# Altium PCB AMTAUD.PcbDoc (part 1 of 2) (continued)
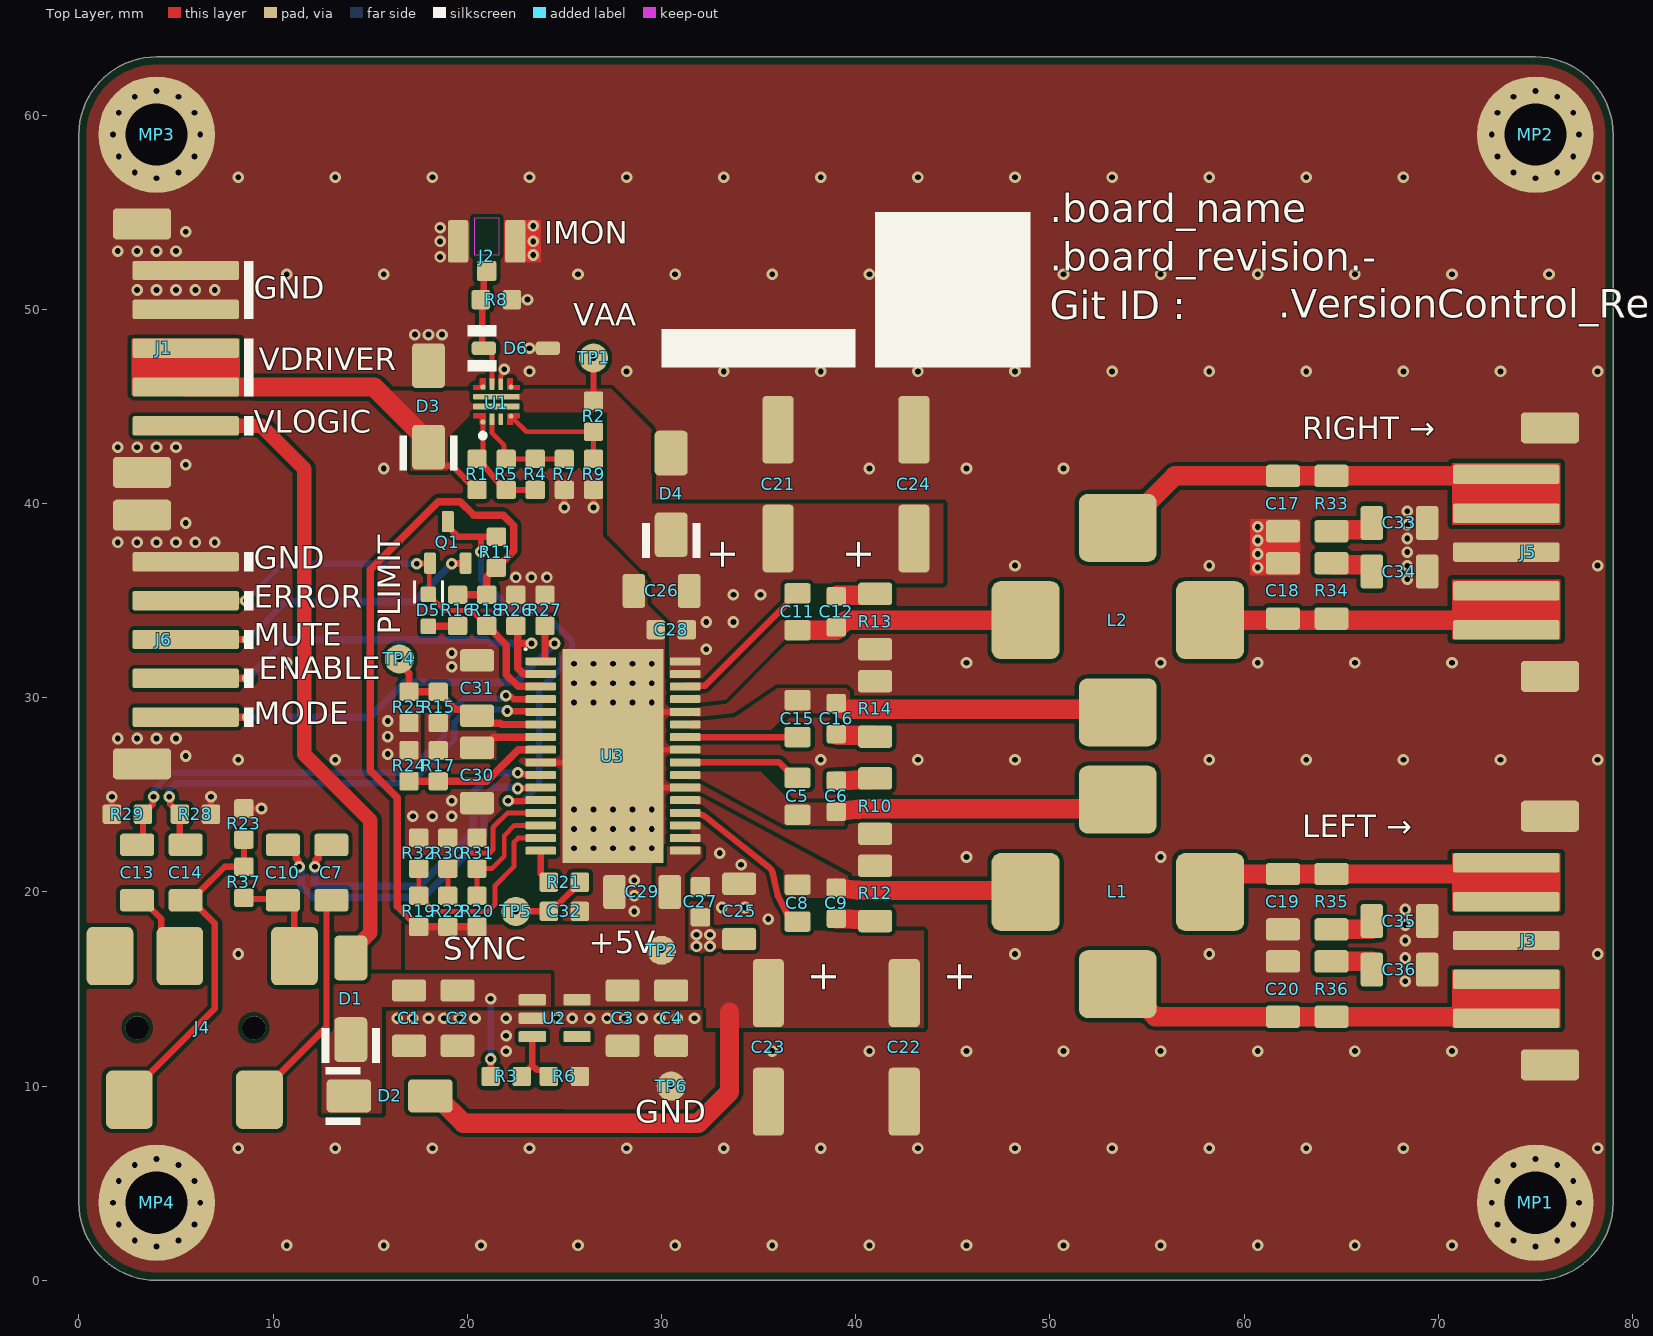
[diagram p0: Top Layer view]
## Components (designator, comment, footprint, x,y, rotation, side; value= is the part's Value field where it differs from the comment)
C1 "Capacitor 1µF +/-10% 50V X7R 1206" 1206-C-N 17,13.5 r90 top value=1µF
C2 "Capacitor 1µF +/-10% 50V X7R 1206" 1206-C-N 19.5,13.5 r90 top value=1µF
C3 "Capacitor 1µF +/-10% 50V X7R 1206" 1206-C-N 28,13.5 r90 top value=1µF
C4 "Capacitor 1µF +/-10% 50V X7R 1206" 1206-C-N 30.5,13.5 r90 top value=1µF
C5 "Capacitor 220nF +/-10% 50V X7R 0805" 0805-C-N 37,24.925 r270 top value=220nF
C6 "Capacitor 330pF +/-5% 50V NP0 0603" 0603-C-N 39,24.925 r270 top value=330pF
C7 "Capacitor 1µF +/-10% 50V X7R 1206" 1206-C-N 13,21 r270 top value=1µF
C8 "Capacitor 220nF +/-10% 50V X7R 0805" 0805-C-N 37,19.425 r90 top value=220nF
C9 "Capacitor 330pF +/-5% 50V NP0 0603" 0603-C-N 39,19.425 r90 top value=330pF
C10 "Capacitor 1µF +/-10% 50V X7R 1206" 1206-C-N 10.5,21 r270 top value=1µF
C11 "Capacitor 220nF +/-10% 50V X7R 0805" 0805-C-N 37,34.425 r270 top value=220nF
C12 "Capacitor 330pF +/-5% 50V NP0 0603" 0603-C-N 39,34.425 r270 top value=330pF
C13 "Capacitor 1µF +/-10% 50V X7R 1206" 1206-C-N 3,21 r270 top value=1µF
C14 "Capacitor 1µF +/-10% 50V X7R 1206" 1206-C-N 5.5,21 r270 top value=1µF
C15 "Capacitor 220nF +/-10% 50V X7R 0805" 0805-C-N 37,28.925 r90 top value=220nF
C16 "Capacitor 330pF +/-5% 50V NP0 0603" 0603-C-N 39,28.925 r90 top value=330pF
C17 "Capacitor 680nF +/-10% 50V X7R 1206" 1206-C-N 62,40 r90 top value=680nF
C18 "Capacitor 680nF +/-10% 50V X7R 1206" 1206-C-N 62,35.5 r270 top value=680nF
C19 "Capacitor 680nF +/-10% 50V X7R 1206" 1206-C-N 62,19.5 r90 top value=680nF
C20 "Capacitor 680nF +/-10% 50V X7R 1206" 1206-C-N 62,15 r270 top value=680nF
C21 "875585545003" WCAP-HSAH_D6.3H7.7 36,41 r90 top
C22 "875585545003" WCAP-HSAH_D6.3H7.7 42.5,12 r270 top
C23 "875585545003" WCAP-HSAH_D6.3H7.7 35.5,12 r270 top
C24 "875585545003" WCAP-HSAH_D6.3H7.7 43,41 r90 top
C25 "Capacitor 1µF +/-10% 50V X7R 1206" 1206-C-N 34,19 r270 top value=1µF
C26 "Capacitor 1µF +/-10% 50V X7R 1206" 1206-C-N 30,35.5 r180 top value=1µF
C27 "Capacitor 1nF +/-5% 100V NP0 0603" 0603-C-N 32,19.5 r90 top value=1nF
C28 "Capacitor 1nF +/-5% 100V NP0 0603" 0603-C-N 30.5,33.5 r0 top value=1nF
C29 "Capacitor 1µF +/-10% 50V X7R 1206" 1206-C-N 29,20 r0 top value=1µF
C30 "Capacitor 1µF +/-10% 50V X7R 1206" 1206-C-N 20.5,26 r90 top value=1µF
C31 "Capacitor 1µF +/-10% 50V X7R 1206" 1206-C-N 20.5,30.5 r270 top value=1µF
C32 "Capacitor 330pF +/-5% 50V NP0 0603" 0603-C-N 25,19 r0 top value=330pF
C33 "Capacitor 100nF +/-10% 50V X7R 1206" 1206-C-N 68,39 r180 top value=100nF
C34 "Capacitor 100nF +/-10% 50V X7R 1206" 1206-C-N 68,36.5 r180 top value=100nF
C35 "Capacitor 100nF +/-10% 50V X7R 1206" 1206-C-N 68,18.5 r180 top value=100nF
C36 "Capacitor 100nF +/-10% 50V X7R 1206" 1206-C-N 68,16 r180 top value=100nF
D1 "B340AF-13" DO-214AC_UNI 14,14.5 r90 top
D2 "B340AF-13" DO-214AC_UNI 16,9.5 r0 top
D3 "SMAJ12A" DO-214AC_UNI 18,45 r90 top value=12V
D4 "SMAJ12A" DO-214AC_UNI 30.5,40.5 r90 top value=12V
D5 "150060RS86000" WL-SMCW_0603_150060xx8x000 18,34.5 r270 top
D6 "DDZ9678-7" SOD-123-N 22.5,48 r0 top
J1 "620305124022" 620305124022 3.25,48 r270 top
J2 "U.FL-R-SMT(10)" HRS-U.FL-R-SMT_V 21,53.5 r0 top value=U.FL
J3 "620305124022" 620305124022 75.75,17.5 r90 top
J4 "SJ2-35863B1-SMT-TR" SJ2-35863B1-SMT-TR-Footprint-1 5,13 r0 top value="3.5mm audio jack"
J5 "620305124022" 620305124022 75.75,37.5 r90 top
J6 "620305124022" 620305124022 3.25,33 r270 top
L1 "74434301008100" WE-LHMD_1008 53.5,20 r180 top
L2 "74434301008100" WE-LHMD_1008 53.5,34 r270 top
MP1 "MountingHole" PTH-M3D6.5_VIA-RING 75,4 r0 top
MP2 "MountingHole" PTH-M3D6.5_VIA-RING 75,59 r0 top
MP3 "MountingHole" PTH-M3D6.5_VIA-RING 4,59 r0 top
MP4 "MountingHole" PTH-M3D6.5_VIA-RING 4,4 r0 top
Q1 "BC846BLT1G" SOT-23-3-N 19,38 r90 top
R1 "ERJ-3EKF5603V" 0603-R-N 20.5,41.5 r270 top value=560k
R2 "Resistor 150k +/-1% 50V 0603" 0603-R-N 26.5,44.5 r270 top value=150k
R3 "Resistor 150k +/-1% 50V 0603" 0603-R-N 22,10.5 r0 top value=150k
R4 "RC0603FR-07270KL" 0603-R-N 23.5,41.5 r270 top value=270k
R5 "Resistor 220k 1% 0603 0.1W" 0603-R-N 22,41.5 r270 top value=220k
R6 "Resistor 47k +/-1% 50V 0603" 0603-R-N 25,10.5 r0 top value=47k
R7 "Resistor 68k +/-1% 50V 0603" 0603-R-N 25,41.5 r90 top value=68k
R8 "Resistor 5.6k +/-1% 0.1W 0603" 0603-R-N 21.5,50.5 r180 top value=5.6k
R9 "Resistor 47k +/-1% 50V 0603" 0603-R-N 26.5,41.5 r90 top value=47k
R10 "Resistor 10E +/-1% 200V 1206" 1206-R-N 41,24.425 r270 top value=10
R11 "Resistor 150k +/-1% 50V 0603" 0603-R-N 21.5,37.5 r90 top value=150k
R12 "Resistor 10E +/-1% 200V 1206" 1206-R-N 41,19.925 r90 top value=10
R13 "Resistor 10E +/-1% 200V 1206" 1206-R-N 41,33.925 r270 top value=10
R14 "Resistor 10E +/-1% 200V 1206" 1206-R-N 41,29.425 r90 top value=10
R15 "Jumper 0R <50 mOhm 1A 0603" 0603-R-N 18.5,29.5 r90 top value=0
R16 "Resistor 10k +/-1% 50V 0603" 0603-R-N 19.5,34.5 r90 top value=10k
R17 "Resistor 75k +/-1% 50V 0603" 0603-R-N 18.5,26.5 r90 top value=75k
R18 "Resistor 10k +/-1% 50V 0603" 0603-R-N 21,34.5 r270 top value=10k
R19 "Resistor 10k +/-1% 50V 0603" 0603-R-N 17.5,19 r90 top value=10k
R20 "Resistor 10k +/-1% 50V 0603" 0603-R-N 20.5,19 r90 top value=10k
R21 "RMCF0603FT680R" 0603-R-N 25,20.5 r180 top value=680
R22 "Resistor 10k +/-1% 50V 0603" 0603-R-N 19,19 r90 top value=10k
R23 "Resistor 10R +/-1% 50V 0603" 0603-R-N 8.5,23.5 r270 top value=10
R24 "Resistor 47k +/-1% 50V 0603" 0603-R-N 17,26.5 r270 top value=47k
R25 "Jumper 0R <50 mOhm 1A 0603" 0603-R-N 17,29.5 r90 top value=0
R26 "Resistor 150k +/-1% 50V 0603" 0603-R-N 22.5,34.5 r270 top value=150k
R27 "Resistor 150k +/-1% 50V 0603" 0603-R-N 24,34.5 r270 top value=150k
R28 "Jumper 0R <50 mOhm 1A 0603" 0603-R-N 6,24 r180 top value=0
R29 "Jumper 0R <50 mOhm 1A 0603" 0603-R-N 2.5,24 r0 top value=0
R30 "Resistor 10k +/-1% 50V 0603" 0603-R-N 19,22 r90 top value=10k
R31 "Resistor 10k +/-1% 50V 0603" 0603-R-N 20.5,22 r90 top value=10k
R32 "Resistor 10k +/-1% 50V 0603" 0603-R-N 17.5,22 r90 top value=10k
R33 "Resistor 10E +/-1% 200V 1206" 1206-R-N 64.5,40 r90 top value=10
R34 "Resistor 10E +/-1% 200V 1206" 1206-R-N 64.5,35.5 r270 top value=10
R35 "Resistor 10E +/-1% 200V 1206" 1206-R-N 64.5,19.5 r90 top value=10
R36 "Resistor 10E +/-1% 200V 1206" 1206-R-N 64.5,15 r270 top value=10
R37 "Jumper 0R <50 mOhm 1A 0603" 0603-R-N 8.5,20.5 r270 top value=0
TP1 "Testpad with multiple sizes" TP_1.5mm_0.3mmHole 26.5,47.5 r0 top
TP2 "Testpad with multiple sizes" TP_1.5mm_0.3mmHole 30,17 r0 top
TP4 "Testpad with multiple sizes" TP_1.5mm_0.3mmHole 16.5,32 r0 top
TP5 "Testpad with multiple sizes" TP_1.5mm_0.3mmHole 22.5,19 r0 top
TP6 "Testpad with multiple sizes" TP_1.5mm_0.3mmHole 30.5,10 r0 top
U1 "LM73100RPWR" VQFN-HR 21.5,45.25 r90 top
U2 "TPS70950DBVR" SOT25-N 24.5,13.5 r0 top
U3 "TPA3128D2DAP" TSSOP28_PPad 27.5,27 r0 top

## Footprints (in the part's own frame and the unit in brackets; to place one, negate y for a bottom-side part, rotate by r counter-clockwise, add the part's x,y. Pads: shape width x height; smd on the part's side, far side on the other; paste and mask are expansions set on the pad)
0603-C-N [mm]
  rrect25% 0.95x1 smd: 1(-0.8,0) 2(0.8,0)
  body extent -0.8,-0.4 0.8,0.4, height 0.81
0603-R-N [mm]
  rrect25% 0.95x1 smd: 1(-0.8,0) 2(0.8,0)
  body extent -0.8,-0.4 0.8,0.4, height 0.47
0805-C-N [mm]
  rrect25% 1.05x1.35 smd: 1(-0.95,0) 2(0.95,0)
  body extent -1,-0.63 1,0.63, height 1.26
1206-C-N [mm] "Chip Capacitor, 2-Leads, 1206, IPC Medium Density"
  rrect25% 1.15x1.75 smd: 1(-1.425,0) 2(1.425,0)
  body extent -1.6,-0.8 1.6,0.8, height 1.16
1206-R-N [mm] "Chip Resistor, 2-Leads, 1206, IPC Medium Density"
  rrect25% 1.15x1.75 smd: 1(-1.425,0) 2(1.425,0)
  body extent -1.6,-0.8 1.6,0.8, height 0.62
620305124022 [mm] "2.00mm SMT Male Vertical Shrouded Header, 5p"
  rrect25% 1x5.5 smd: 1(4,2.25) 2(2,2.25) 3(0,2.25) 4(-2,2.25) 5(-4,2.25)
  rrect25% 1.6x3 smd: MP1(-6.4,0) MP2(6.4,0)
  body extent -7,-2.5 7,4.51, height 6.77
DO-214AC_UNI [mm] "SMA : 2-Leads. body 4.24x2.67mm"
  rrect25% 2.3x1.7 smd: 1(-2.1,0) 2(2.1,0)
  silkscreen extent -3.3,-1.5 -1.5,1.5, body extent -2.56,-1.33 2.56,1.34, height 2.24
HRS-U.FL-R-SMT_V [mm] "SMD, 3-Leads, Body 2.6x2.6mm"
  rrect25% 1.05x2.2 smd: 1(-1.475,0) 2(1.475,0)
  rrect25% 1x1.05 smd: 3(0,-1.525)
  Top Layer keep-out region: -0.65,-0.7 0.65,-0.7 0.65,1.2 -0.65,1.2
  body extent -1.48,-1.55 1.52,1.55, height 1.25
PTH-M3D6.5_VIA-RING [mm]
  round 6 hole 3.2: 1(0,0)
SJ2-35863B1-SMT-TR-Footprint-1 [mm]
  rrect25% 2.4x3 smd: 1(-2.4,-3.7) 2(4.3,-3.7) 3(0.2,3.7) 4(6.1,3.7) 5(-3.4,3.7)
  round 1.2 hole 1.2 unplated: MP1(-2,0) MP2(4,0)
  body extent -7,-4.5 7,4.5, height 5
SOD-123-N [mm] "Small Outline Diode 123 package - IPC Nominal"
  rrect50% 1.257x0.702 smd: 1(-1.65,0) 2(1.65,0)
  silkscreen extent -2.5,-1.2 -1,1.2, body extent -1.87,-0.85 1.88,0.85, height 1.2
SOT25-N [mm] "SOT-23-5 IPC Nominal, EIAJ SC-74A, SOT753, TSOP5"
  rrect25% 1.407x0.576 smd: 1(-1.151,0.95) 2(-1.151,0) 3(-1.151,-0.95) 4(1.151,-0.95) 5(1.151,0.95)
  body extent -1.42,-1.5 1.42,1.5, height 1.2
SOT-23-3-N [mm] "SOT-23, 3-Leads, Body 3x1.4mm, Pitch 0.95mm, IPC Medium Density"
  rrect25% 1.09x0.61 smd: 1(-1.07,0.915) 2(-1.07,-0.915) 3(1.07,0)
  body extent -1.22,-1.5 1.22,1.5, height 1
TP_1.5mm_0.3mmHole [mm] "Centering hole to keep your DMM-probe in place so that it doesn't skid off to other signals."
  round 1.5 / inner round 0.6 / far side round 0.6 hole 0.3 mask+0.102: 1(0,0)
TSSOP28_PPad [mm]
  rrect25% 1.57x0.41 smd: 1(-3.72,4.875) 2(-3.72,4.225) 3(-3.72,3.575) 4(-3.72,2.925) 5(-3.72,2.275) 6(-3.72,1.625) 7(-3.72,0.975) 8(-3.72,0.325) 9(-3.72,-0.325) 10(-3.72,-0.975) 11(-3.72,-1.625) 12(-3.72,-2.275) 13(-3.72,-2.925) 14(-3.72,-3.575) 15(-3.72,-4.225) 16(-3.72,-4.875) 17(3.72,-4.875) 18(3.72,-4.225) 19(3.72,-3.575) 20(3.72,-2.925) 21(3.72,-2.275) 22(3.72,-1.625) 23(3.72,-0.975) 24(3.72,-0.325) 25(3.72,0.325) 26(3.72,0.975) 27(3.72,1.625) 28(3.72,2.275) 29(3.72,2.925) 30(3.72,3.575) 31(3.72,4.225) 32(3.72,4.875)
  rect 5.2x11 smd paste-7 mask+0: 33(0,0)
  silkscreen extent -4.55,5.45 -4.45,5.55, body extent -4.05,-5.5 4.05,5.5, height 1.2
VQFN-HR [mm]
  round 0.27 smd paste-1000 mask+0: 1(-1.05,0.7) 10(0.75,0.7)
  rrect40% 0.6x0.25 smd paste+0 mask+0: 2(-0.9,0.225) 3(-0.9,-0.225) 8(0.9,-0.225) 9(0.9,0.225)
  round 0.255 smd paste-1000 mask+0: 4(-0.75,-0.75) 7(0.75,-0.75)
  rrect33% 0.3x2.4 smd paste-1000 mask+0: 5(-0.25,0) 6(0.25,0)
  Top Layer region: -0.85,0.85 -0.85,1.15 -0.843,1.175 -0.825,1.193 -0.8,1.2 -0.8,1.2 -0.65,1.2 -0.631,1.196 -0.615,1.185 -0.604,1.169 -0.6,1.15 -0.6,1.15 -0.6,0.6 -0.604,0.581 -0.615,0.565 -0.631,0.554 -0.65,0.55 -0.65,0.55 -1.15,0.55 -1.169,0.554 -1.185,0.565 -1.196,0.581 -1.2,0.6 -1.2,0.6 -1.2,0.8 -1.193,0.825 -1.175,0.843 -1.15,0.85 -1.15,0.85
  Top Layer region: -0.85,-0.85 -0.85,-1.15 -0.846,-1.169 -0.835,-1.185 -0.819,-1.196 -0.8,-1.2 -0.8,-1.2 -0.65,-1.2 -0.631,-1.196 -0.615,-1.185 -0.604,-1.169 -0.6,-1.15 -0.6,-1.15 -0.6,-0.6 -0.604,-0.581 -0.615,-0.565 -0.631,-0.554 -0.65,-0.55 -0.65,-0.55 -1.15,-0.55 -1.169,-0.554 -1.185,-0.565 -1.196,-0.581 -1.2,-0.6 -1.2,-0.6 -1.2,-0.8 -1.196,-0.819 -1.185,-0.835 -1.169,-0.846 -1.15,-0.85 -1.15,-0.85
  Top Layer region: 0.85,-0.85 0.85,-1.15 0.846,-1.169 0.835,-1.185 0.819,-1.196 0.8,-1.2 0.8,-1.2 0.65,-1.2 0.631,-1.196 0.615,-1.185 0.604,-1.169 0.6,-1.15 0.6,-1.15 0.6,-0.6 0.604,-0.581 0.615,-0.565 0.631,-0.554 0.65,-0.55 0.65,-0.55 1.15,-0.55 1.169,-0.554 1.185,-0.565 1.196,-0.581 1.2,-0.6 1.2,-0.6 1.2,-0.8 1.196,-0.819 1.185,-0.835 1.169,-0.846 1.15,-0.85 1.15,-0.85
  Top Layer region: 0.85,0.85 0.85,1.15 0.846,1.169 0.835,1.185 0.819,1.196 0.8,1.2 0.8,1.2 0.65,1.2 0.631,1.196 0.615,1.185 0.604,1.169 0.6,1.15 0.6,1.15 0.6,0.6 0.604,0.581 0.615,0.565 0.631,0.554 0.65,0.55 0.65,0.55 1.15,0.55 1.169,0.554 1.185,0.565 1.196,0.581 1.2,0.6 1.2,0.6 1.2,0.8 1.196,0.819 1.185,0.835 1.169,0.846 1.15,0.85 1.15,0.85
  silkscreen extent -1.87,0.58 -1.63,0.82, body extent -1.3,-1.3 1.3,1.3, height 0.25
WCAP-HSAH_D6.3H7.7 [mm] "Aluminum Hybrid Polymer Capacitor, SMT, body diameter 6.3mm"
  rrect25% 3.5x1.6 smd: 1(-2.8,0) 2(2.8,0)
  body extent -3.6,-3.3 3.6,3.3, height 7.75
WE-LHMD_1008 [mm] "SMT High Current Inductor, body 10x10mm"
  rrect25% 3.5x4 smd: 1(4.75,0) 4(-4.75,0)
  rrect25% 4x3.5 smd: 2(0,-4.75) 3(0,4.75)
  body extent -5.6,-5.6 5.6,5.6, height 8
WL-SMCW_0603_150060xx8x000 [mm] "SMD Mono-color Chip LED, body 1.6x0.8mm"
  rrect25% 0.8x0.8 smd: 1(-0.825,0) 2(0.825,0)
  silkscreen extent -1.55,-0.79 -0.35,0.79, body extent -0.8,-0.4 0.8,0.4, height 0.95

## Part data
C1 C2 C3 C4 C7 C10 C13 C14 C25 C26 C29 C30 C31: library part CMP-072-000852-15, "WCAP-CSGP Multilayer Ceramic Chip Capacitor, General Purpose, size 1206, X7R, 1µF, 50VDC", Capacitor Type=MLCC, Case/Package=1206, Dielectric=X7R, Insulation Resistance=0.5GO, JLCPCB Part #=C1848, Max Operating Temperature=125°C, Min Operating Temperature=-55°C, Tolerance=10%, Voltage Rating=50V, ComponentLink1Description="Website Link", ComponentLink1URL=https://www.we-online.com/redexpert/article/885012208093?ad, ComponentLink2Description="Datasheet Link", ComponentLink2URL=https://www.we-online.com/redexpert/spec/885012208093?ad, Design Item ID=885012208093, Dissipation Factor=3%, Height=1.6mm, Length=3.2mm, Match Code=WCAP-CSGP, Mounting Technology=SMT, Packaging="Tape and Reel", Page Part #=CCOK105, Pins=2, Source=WCAP-CSGP.SchLib, Technical Reference=X7R1206105K050DFCT10000, Usage="General Purpose", Width=1.6mm
C5 C8 C11 C15: library part CMP-072-000738-14, "WCAP-CSGP Multilayer Ceramic Chip Capacitor, General Purpose, size 0805, X7R, 220nF, 50VDC", Capacitor Type=MLCC, Case/Package=0805, Dielectric=X7R, Insulation Resistance=2.3GO, JLCPCB Part #=C5378, Max Operating Temperature=125°C, Min Operating Temperature=-55°C, Tolerance=10%, Voltage Rating=50V, ComponentLink1Description="Website Link", ComponentLink1URL=https://www.we-online.com/redexpert/article/885012207100?ad, ComponentLink2Description="Datasheet Link", ComponentLink2URL=https://www.we-online.com/redexpert/spec/885012207100?ad, Design Item ID=885012207100, Dissipation Factor=3%, Height=1.25mm, Length=2mm, Match Code=WCAP-CSGP, Mounting Technology=SMT, Packaging="Tape and Reel", Pins=2, Source=WCAP-CSGP.SchLib, Technical Reference=X7R0805224K050DFCT10000, Usage="General Purpose", Width=1.25mm
C6 C9 C12 C16 C32: library part CMP-072-000131-14, "WCAP-CSGP Multilayer Ceramic Chip Capacitor, General Purpose, size 0603, NP0, 330pF, 50VDC", Capacitor Type=MLCC, Case/Package=0603, Dielectric=NP0, Insulation Resistance=10GO, JLCPCB Part #=C62784, Max Operating Temperature=125°C, Min Operating Temperature=-55°C, Tolerance=5%, Voltage Rating=50V, ComponentLink1Description="Website Link", ComponentLink1URL=https://www.we-online.com/redexpert/article/885012006060?ad, ComponentLink2Description="Datasheet Link", ComponentLink2URL=https://www.we-online.com/redexpert/spec/885012006060?ad, Design Item ID=885012006060, Height=0.8mm, Length=1.6mm, Match Code=WCAP-CSGP, Mounting Technology=SMT, Packaging="Tape and Reel", Pins=2, Q Factor=1000, Source=WCAP-CSGP.SchLib, Technical Reference=NP00603331J050DFCT10000, Usage="General Purpose", Width=0.8mm
C17 C18 C19 C20: library part CMP-072-000851-13, "WCAP-CSGP Multilayer Ceramic Chip Capacitor, General Purpose, size 1206, X7R, 680nF, 50VDC", Capacitor Type=MLCC, Case/Package=1206, Dielectric=X7R, Insulation Resistance=0.7GO, JLCPCB Part #=C282780, Max Operating Temperature=125°C, Min Operating Temperature=-55°C, Tolerance=10%, Voltage Rating=50V, ComponentLink1Description="Website Link", ComponentLink1URL=https://www.we-online.com/redexpert/article/885012208092?ad, ComponentLink2Description="Datasheet Link", ComponentLink2URL=https://www.we-online.com/redexpert/spec/885012208092?ad, Design Item ID=885012208092, Dissipation Factor=3%, Height=1.6mm, Length=3.2mm, Match Code=WCAP-CSGP, Mounting Technology=SMT, Packaging="Tape and Reel", Pins=2, Source=WCAP-CSGP.SchLib, Technical Reference=X7R1206684K050DFCT10000, Usage="General Purpose", Width=1.6mm
C21 C22 C23 C24: library part CMP-171-000008-3, "WCAP-HSAH Aluminum Hybrid Polymer Capacitor, SMT, D6.3 x H7.7mm, 100uF, 25V", Capacitance=100uF, JLCPCB Part #=C22395169, Leakage Current=25uA, Manufacturer="Wurth Elektronik", Operating Temperature Max=125°C, Operating Temperature Min=-55°C, Rated Voltage (DC)=25V, Ripple Current=1400mA, Category="Aluminum Hybrid Polymer Capacitors", Component Type=Standard, ComponentLink1Description="Website Link", ComponentLink1URL=https://www.we-online.com/redexpert/article/875585545003?ad, ComponentLink2Description="Datasheet Link", ComponentLink2URL=https://www.we-online.com/redexpert/spec/875585545003?ad, Design Item ID=875585545003, Diameter=6.3mm, Dissipation Factor=14%, Endurance=4000h, ESR=30mOhm, Height=7.7mm, Manufacturer Part Number=875585545003, Match Code=WCAP-HSAH, Mount="Surface Mount", Packaging="Tape and Reel", Pin Count=2, Source=WCAP-HSAH.SchLib
C27 C28: library part CMP-072-000145-17, "WCAP-CSGP Multilayer Ceramic Chip Capacitor, General Purpose, size 0603, NP0, 1nF, 100VDC", Capacitor Type=MLCC, Case/Package=0603, Dielectric=NP0, Insulation Resistance=10GO, JLCPCB Part #=C153291, Max Operating Temperature=125°C, Min Operating Temperature=-55°C, Tolerance=5%, Voltage Rating=100V, ComponentLink1Description="Website Link", ComponentLink1URL=https://www.we-online.com/redexpert/article/885012006085?ad, ComponentLink2Description="Datasheet Link", ComponentLink2URL=https://www.we-online.com/redexpert/spec/885012006085?ad, Design Item ID=885012006085, FLIR Part #=YCAM1N-1, Height=0.8mm, Length=1.6mm, Match Code=WCAP-CSGP, Mounting Technology=SMT, Packaging="Tape and Reel", Page Part #=?, Pins=2, Q Factor=1000, Source=WCAP-CSGP.SchLib, Technical Reference=NP00603102J100DFCT10000, Usage="General Purpose", Width=0.8mm
C33 C34 C35 C36: library part CMP-072-000846-14, "WCAP-CSGP Multilayer Ceramic Chip Capacitor, General Purpose, size 1206, X7R, 100nF, 50VDC", Capacitor Type=MLCC, Case/Package=1206, Dielectric=X7R, Insulation Resistance=5GO, JLCPCB Part #=C82601, Max Operating Temperature=125°C, Min Operating Temperature=-55°C, Tolerance=10%, Voltage Rating=50V, ComponentLink1Description="Website Link", ComponentLink1URL=https://www.we-online.com/redexpert/article/885012208087?ad, ComponentLink2Description="Datasheet Link", ComponentLink2URL=https://www.we-online.com/redexpert/spec/885012208087?ad, Design Item ID=885012208087, Dissipation Factor=2.5%, Height=0.8mm, Length=3.2mm, Match Code=WCAP-CSGP, Mounting Technology=SMT, Packaging="Tape and Reel", Pins=2, Source=WCAP-CSGP.SchLib, Technical Reference=X7R1206104K050DFCT10000, Usage="General Purpose", Width=1.6mm
D1 D2: library part CMP-004-00050-6, "Diode 40 V 3A Surface Mount SMAF", Case/Package=SMA, Forward Current=3A, Forward Voltage="500 mV @ 3 A", JLCPCB Part #=C172880, Max Reverse Voltage (DC)=40V, Mounting Technology="Surface Mount", Packaging="Cut Tape", RoHS Compliant=Yes, Series=-
D3 D4: library part CMP-104-000003-5, "SMAJ Series 19.9 V 0.4 kW Surface Mount Uni-Directional TVS Diode - DO-214AC", (Reverse) Breakdown Voltage=14V, (Reverse) Peak Pulse Current=20.1A, Case/Size Code=DO-214AC, Clamping Voltage=19.9V, JLCPCB Part #=C89613, Manufacturer="Wurth Elektronik", Manufacturer Part Number=824500121, Operating Temperature Max=150°C, Operating Temperature Min=-65°C, Operating Voltage (DC)=12V, Power Dissipation=400W, Category="Surge Protection", Component Type=Standard, ComponentLink1Description="Website Link", ComponentLink1URL=https://www.we-online.com/redexpert/article/824500121?ad, ComponentLink2Description="Datasheet Link", ComponentLink2URL=https://www.we-online.com/redexpert/spec/824500121?ad, Design Item ID=824500121, Height=2.087mm, Length=4.5mm, Match Code=WE-TVSP, Mount="Surface Mount", Packaging="Tape and Reel", Pin Count=2, Polarity=Unidirectional, Source=WE-TVSP.SchLib, Width=2.79mm
D5: library part CMP-002-001080-9, "WL-SMCW Mono-color Chip LED Waterclear, size 0603, Red, 2V, 60°", Case/Size Code=0603, Emitting Color=Red, Forward Voltage=2V, JLCPCB Part #=C5875741, Manufacturer="Wurth Elektronik", Operating Temperature Max=85°C, Operating Temperature Min=-40°C, Category="Signal LEDs", Chip Technology=AlInGaP, Component Type=Standard, ComponentLink1Description="Website Link", ComponentLink1URL=https://www.we-online.com/redexpert/article/150060RS86000?ad, ComponentLink2Description="Datasheet Link", ComponentLink2URL=https://www.we-online.com/redexpert/spec/150060RS86000?ad, Design Item ID=150060RS86000, Dominant Wavelength=624nm, Height=0.95mm, Length=1.6mm, Luminous Intensity=800mcd, Manufacturer Part Number=150060RS86000, Match Code=WL-SMCW, Mount="Surface Mount", Packaging="Tape and Reel", Peak Wavelength=632nm, Pin Count=2, Source=WL-SMCW.SchLib, Viewing Angle=60°, Width=0.8mm
D6: library part CMP-004-00056-2, "Vz=1.8V 1.71V~1.89V Izt=50uA P=500mW", Case/Package=SOD-123-2, Forward Voltage=900mV, JLCPCB Part #=C150464, Max Operating Temperature=150°C, Max Power Dissipation=500mW, Max Reverse Current=7.5uA, Min Operating Temperature=-65°C, Package Quantity=3000, Test Current=50uA, Tolerance=5%, Working Voltage=1.8V, Height=1.35mm, Lead Free="Lead Free", Length=3.85mm, Max Reverse Leakage Current=7.5uA, Mounting Technology="Surface Mount", Packaging="Tape and Reel", Pins=2, Power Dissipation=500mW, Power Rating=500mW, Radiation Hardening=No, Reach SVHC Compliant=No, RoHS Compliant=Yes, Series=-, Voltage Tolerance=5%, Weight=0.000353oz, Width=1.7mm, Zener Current=7.5uA, Zener Voltage=1.8V
J1 J3 J5 J6: library part CMP-047-000052-7, "WR-WTB SMT Male Vertical Shrouded Header, pitch 2mm, 5p", Contact Resistance=20mOhm, JLCPCB Part #=C265085, Operating Temperature="-25 to +85degC", Rated Current=2A, Withstanding Voltage=800VAC, Working Voltage=100VAC, Component Type=Standard, ComponentLink1Description=Manufacturer, ComponentLink1URL=http://www.we-online.de, ComponentLink2Description=Datasheet, ComponentLink2URL=https://www.we-online.com/catalog/datasheet/620305124022.pdf, Design Item ID=620305124022, Gender=Male, Mounting Technology=SMT, Packaging="Tape and Reel", Part Number=620305124022, Pin Count=5, Pin Number=5, Pitch=2mm, Published Date="January 2020", Publisher="Wurth Elektronik", Source=WR-WTB_2.00mm.SchLib, Type=Vertical
J2: library part CMP-002-00035-12, "Ultra Small Surface Mount Coaxial Connector, 50 Ohm, -40 to 90 degC, 3-Pin SMD, RoHS, Tape and Reel", Case/Package=U.FL-R-SMT, JLCPCB Part #=C88373, Manufacturer="Hirose Electric", Max Operating Temperature=90°C, Min Operating Temperature=-40°C, Package Description="3-Pin Surface Mount Device, Body 2.6 x 2.6 mm", Package Quantity=2500, Resistance=50Ohm, Connector Type=RF&Coax, Contact Material=Brass, Contact Plating=Gold, Datasheet URL=https://www.hirose.com/product/en/download_file/key_name/U.FL/category/Catalog/doc_file_id/31697/?file_category_id=4&item_id=15&is_series=1, Datasheet Version=Aug-16, Fastening Type=Snap, Impedance=50Ohm, Manufacturer URL=https://www.hirose.com, Mounting Technology=SM, Package Reference=U.FL-R-SMT, Packaging=TapeandReel, RoHS Compliant=True
J4: library part CMP-002-00128-5, "3.5 mm, Stereo, Right Angle, Surface Mount (SMT), Audio Jack Connector", Color=Black, JLCPCB Part #=C381135, Connector Type=Jack, Number of Conductors=3, Number of Ports=1, Orientation=Horizontal, Shielding=Unshielded
L1 L2: library part CMP-175-000001-2, "WE-LHMD SMT High Current Inductor, size 1008, 10µH, 3.2A", Case/Size Code=1008, DC Resistance=45mO, Inductance=10µH, Inductance Tolerance=+/-15%, Manufacturer="Wurth Elektronik", Operating Temperature Max=125°C, Operating Temperature Min=-40°C, Rated Current=3.2A, Saturation Current=18A, Category="Inductors for Digital Audio", Component Type=Standard, ComponentLink1Description="Website Link", ComponentLink1URL=https://www.we-online.com/redexpert/article/74434301008100?ad, ComponentLink2Description="Datasheet Link", ComponentLink2URL=https://www.we-online.com/redexpert/spec/74434301008100?ad, Design Item ID=74434301008100, Height=8mm, Length=10mm, Manufacturer Part Number=74434301008100, Match Code=WE-LHMD, Mount="Surface Mount", Packaging="Tape and Reel", Pin Count=4, Source=WE-LHMD.SchLib, Width=10mm
MP1 MP2 MP3 MP4: library part CMP-00028-00004-15, "Mounting hole.  Add this so that mounting holes placed in your design don't automagically disappear when you import changes from the schematic.", Pins=1
Q1: library part CMP-013-00048-14, "NPN Ic=100mA Vceo=65V hfe=200~450 P=225mW SOT-23", Case/Package=SOT-23-3, JLCPCB Part #=C82477, Ic Max=100mA, Transistor Type=NPN, Vce Max=65V
R1: library part CMP-009-00383-2, "Res Thick Film 0603 560K Ohm 1% 0.1W ±100ppm/°C Molded SMD Punched Carrier T/R", Case Code (Imperial)=0603, Case Code (Metric)=1608, JLCPCB Part #=C25822, Max Operating Temperature=155°C, Max Power Dissipation=100mW, Min Operating Temperature=-55°C, Package Quantity=1, Resistance Tolerance=1%, Resistor Type="Thick Film", Temperature Coefficient=100ppm/°C, Voltage Rating=75V, Case/Package=0603, Construction=Rectangular, Contact Plating=Tin, Depth=0.8mm, Features="Automotive AEC-Q200", Height=0.022inch, Length=1.6mm, Military Standard=Not, Mounting Technology="Surface Mount", Number of Terminations=2, Packaging="Tape and Reel", Pins=2, Power Rating=100mW, Radiation Hardening=No, Reach SVHC Compliant=No, RoHS Compliant=Yes, Series=ERJ, Termination=SMD/SMT, Tolerance=1%, Voltage Rating (DC)=75V, Width=0.8mm
R2 R3 R11 R26 R27: library part CMP-009-00237-19, "Chip Resistor, Thick Film, General Purpose, 0603, 100mW, 50V, 150 kOhm, +/-1%", Case/Package=0603, JLCPCB Part #=C22807, Max Operating Temperature=155°C, Min Operating Temperature=-55°C, Power Rating=100mW, Resistor Type="Thick Film", Tolerance=1%, Voltage Rating=50V, Elements=1, FLIR Part #=YRES150K-1, Mounting Technology=SMT, Pins=2, RoHS Compliant=Yes, Usage="General Purpose"
R4: library part CMP-009-00384-1, "SMD Chip Resistor, 270 kOhm, ï¿½ 1%, 100 mW, 0603 [1608 Metric], Thick Film, General Purpose", Case Code (Imperial)=0603, Case Code (Metric)=1608, JLCPCB Part #=C22965, Max Operating Temperature=155°C, Max Power Dissipation=100mW, Min Operating Temperature=-55°C, Resistance Tolerance=1%, Resistor Type="Thick Film", Temperature Coefficient=100ppm/°C, Voltage Rating=50V, Case/Package=0603, Construction=Rectangular, Depth=0.8mm, Features="Moisture Resistant", Height=0.45mm, Lead Free="Lead Free", Length=1.6mm, Military Standard=Not, Number of Terminations=2, Packaging="Tape and Reel", Pins=2, Power Rating=100mW, Reach SVHC Compliant=Unknown, RoHS Compliant=Yes, Series=RC, Termination=SMD/SMT, Tolerance=1%, Voltage Rating (AC)=50V, Voltage Rating (DC)=50V, Width=0.8mm
R5: library part CMP-009-00344-7, "Res Thick Film 0603 220K Ohm 1% 0.1W(1/10W) ±100ppm/C Pad SMD T/R", Case/Package=0603, JLCPCB Part #=C22961, Max Operating Temperature=155°C, Min Operating Temperature=-55°C, Power Rating=100mW, Resistor Type="Thick Film", Temperature Coefficient=100ppm/°C, Tolerance=1%, Voltage Rating=75V, Elements=1, FLIR Part #=YRES220K-1, Lead Free="Lead Free", Mounting Technology=SMT, Pins=2, RoHS Compliant=Yes, Usage="General Purpose"
R6 R9 R24: library part CMP-009-00195-22, "Chip Resistor, Thick Film, General Purpose, 0603, 100mW, 50V, 47 kOhm, +/-1%", Case/Package=0603, JLCPCB Part #=C25819, Max Operating Temperature=155°C, Min Operating Temperature=-55°C, Power Rating=100mW, Resistor Type="Thick Film", Temperature Coefficient=100ppm/°C, Tolerance=1%, Voltage Rating=50V, Elements=1, FLIR Part #=YRES47K-1, Mounting Technology=SMT, Page Part #=ROQF4702, Pins=2, REACH SVHC="No SVHC", Usage="General Purpose"
R7: library part CMP-009-00207-23, "Chip Resistor, Thick Film, General Purpose, 0603, 100mW, 50V, 68 kOhm, +/-1%", Case/Package=0603, JLCPCB Part #=C114633, Max Operating Temperature=155°C, Min Operating Temperature=-55°C, Power Rating=100mW, Resistor Type="Thick Film", Tolerance=1%, Voltage Rating=50V, Elements=1, Mounting Technology=SMT, Page Part #=ROQF6802, Pins=2, RoHS Compliant=Yes, Usage="General Purpose"
R8: library part CMP-009-00287-10, "Res Thick Film 0603 5.6K Ohm 1% 0.1W(1/10W) ±100ppm/C Pad SMD T/R", Case/Package=0603, JLCPCB Part #=C23189, Max Operating Temperature=155°C, Min Operating Temperature=-55°C, Power Rating=100mW, Resistor Type="Thick Film", Temperature Coefficient=100ppm/°C, Tolerance=1%, Voltage Rating=75V, Elements=1, Features="Moisture Resistant", Lead Free="Lead Free", Mounting Technology=SMT, Pins=2, RoHS Compliant=Yes, Usage="General Purpose"
R10 R12 R13 R14 R33 R34 R35 R36: library part CMP-009-00238-9, "Chip Resistor, Thick Film, General Purpose, 1206, 250mW, 200V, 10 Ohm, +/-1%", Case/Package=1206, JLCPCB Part #=C17903, Max Operating Temperature=155°C, Min Operating Temperature=-55°C, Power Rating=250mW, Resistor Type="Thick Film", Tolerance=1%, Voltage Rating=200V, Elements=1, Mounting Technology=SMT, Pins=2, Usage="General Purpose"
R15 R25 R28 R29 R37: library part CMP-009-00006-26, "Chip Jumper, Thick Film, Jumper, 0603, 100mW, 1A, 0 Ohm, <50 mOhm", Case/Package=0603, Current Rating=1A, JLCPCB Part #=C21189, Max Operating Temperature=155°C, Min Operating Temperature=-55°C, Power Rating=100mW, Resistor Type="Thick Film", Tolerance="50 mOhm", Voltage Rating=75V, Elements=1, FLIR Part #=YRES0E-1, Mounting Technology=SMT, Page Part #=ROQJ0000, Pins=2, RoHS Compliant=True, Usage=Jumper
R16 R18 R19 R20 R22 R30 R31 R32: library part CMP-009-00017-28, "Chip Resistor, Thick Film, General Purpose, 0603, 100mW, 50V, 10 kOhm, +/-1%", Case/Package=0603, JLCPCB Part #=C25804, Max Operating Temperature=155°C, Min Operating Temperature=-55°C, Power Rating=100mW, Resistor Type="Thick Film", Tolerance=1%, Voltage Rating=50V, Elements=1, FLIR Part #=YRES10K-1, Mounting Technology=SMT, Page Part #=ROQF1002, Pins=2, RoHS Compliant=Yes, Usage="General Purpose"
R17: library part CMP-009-00319-10, "Chip Resistor, Thick Film, General Purpose, 0603, 100mW, 50V, 75 kOhm, +/-1%", Case/Package=0603, JLCPCB Part #=C23242, Max Operating Temperature=155°C, Min Operating Temperature=-55°C, Power Rating=100mW, Resistor Type="Thick Film", Tolerance=1%, Voltage Rating=50V, Elements=1, Mounting Technology=SMT, Pins=2, RoHS Compliant=Yes, Usage="General Purpose"
R21: library part CMP-009-00386-1, "Res Thick Film 0603 680 Ohm 1% 1/10W ±100ppm/°C Molded SMD SMD Paper T/R", Case Code (Imperial)=0603, Case Code (Metric)=1608, JLCPCB Part #=C23228, Max Operating Temperature=155°C, Max Power Dissipation=100mW, Min Operating Temperature=-55°C, Package Quantity=5000, Temperature Coefficient=100ppm/°C, Tolerance=1%, Voltage Rating=75V, Case/Package=0603, Contact Plating=Tin,Matte, Features="Automotive AEC-Q200", Height=0.022inch, Lead Free="Lead Free", Length=0.061inch, Mounting Technology="Surface Mount", Number of Terminations=2, Packaging="Tape and Reel", Radiation Hardening=No, RoHS Compliant=Yes, Series=RMCF, Width=0.031inch
R23: library part CMP-009-00230-18, "Chip Resistor, Thick Film, General Purpose, 0603, 100mW, 50V, 10 Ohm, +/-1%", Case/Package=0603, JLCPCB Part #=C22859, Max Operating Temperature=155°C, Min Operating Temperature=-55°C, Power Rating=100mW, Resistor Type="Thick Film", Temperature Coefficient=200ppm/°C, Tolerance=1%, Voltage Rating=50V, Elements=1, Mounting Technology=SMT, Pins=2, RoHS Compliant=Yes, Usage="General Purpose"